# Allegro board SDHCalFEB.brd (continued)
## Routing (per net, layer and track width the routed paths; a pad name or vN(x,y) marks a point on that pad's centre or on a via; arc(x,y) is an arc through that point) (continued)
ANALOGIN47_ASIC_B5: length 50.9
  TOP w0.127: v2(252.2,207.21) 252.2,207.21 C482.2 ; v2(206.1,207.77) 206.08,207.76 U390.36
  GND1 w0.127: v2(252.2,207.21) v3(251.68,207.73) ; v3(206.83,207.77) v2(206.1,207.77)
  SIG3 w0.127: v3(251.68,207.73) 250.34,209.07 234.92,209.07 234.26,208.41 207.46,208.41 v3(206.83,207.77)
ANALOGIN47_ASIC_B6: length 52.5
  TOP w0.127: C569.2 v2(173.66,206.86) ; v2(125.76,207.76) U455.36
  GND1 w0.127: v2(173.66,206.86) v3(172.92,206.86) ; v3(126.49,207.76) v2(125.76,207.76)
  SIG3 w0.127: v3(172.92,206.86) 170.71,209.07 154.84,209.07 154.18,208.41 127.14,208.41 v3(126.49,207.76)
ANALOGIN47_ASIC_B7: length 53.6
  TOP w0.127: C656.2 v2(94.64,207.75) ; v2(46.13,207.76) U520.36
  GND1 w0.127: v3(46.86,207.76) v2(46.13,207.76) ; v2(94.64,207.75) v3(94.64,208.48)
  SIG3 w0.127: v3(94.64,208.48) 94.09,209.04 75.51,209.04 74.9,208.43 47.54,208.43 v3(46.86,207.76)
ANALOGIN47_ASIC_C1: length 46.7
  TOP w0.127: C743.2 v2(328.19,126.17) ; v2(286.38,127.75) U585.36
  GND1 w0.127: v3(287.12,127.75) v2(286.38,127.75) ; v2(328.19,126.17) v3(327.46,126.17)
  SIG3 w0.127: v3(327.46,126.17) 325.91,127.71 314.1,127.71 313.44,128.37 287.74,128.37 v3(287.12,127.75)
ANALOGIN47_ASIC_C2: length 50.9
  TOP w0.127: C830.2 v2(252.2,127.2) ; v2(206.43,127.75) U650.36
  GND1 w0.127: v2(252.2,127.2) v3(251.46,127.2) ; v3(207.16,127.75) v2(206.43,127.75)
  SIG3 w0.127: v3(251.46,127.2) 249.61,129.06 234.09,129.06 233.45,128.42 207.83,128.42 v3(207.16,127.75)
ANALOGIN47_ASIC_C3: length 53.1
  TOP w0.127: v2(124.75,127.75) U715.36 ; C917.2 v2(174.63,127.71)
  GND1 w0.127: v2(174.63,127.71) v3(173.89,127.71) ; v2(124.75,127.75) v3(125.49,127.75)
  SIG3 w0.127: v3(125.49,127.75) 126.19,128.45 153.75,128.45 154.36,129.06 172.55,129.06 v3(173.89,127.71)
ANALOGIN47_ASIC_C4: length 52
  TOP w0.127: v2(45.87,127.75) U780.36 ; C1004.2 v2(93.55,126.75)
  GND1 w0.127: v2(93.55,126.75) v3(92.74,126.75) ; v2(45.87,127.75) v3(46.61,127.75)
  SIG3 w0.127: v3(46.61,127.75) 47.26,128.4 75.26,128.4 75.83,127.83 91.65,127.83 v3(92.74,126.75)
ANALOGIN48_ASIC_A1: length 42.8
  TOP w0.127: C48.2 v2(322.28,285.21) ; v2(282.41,287.12) U65.37
  GND1 w0.127: v2(322.28,285.21) v3(321.54,285.21) ; v3(283.15,287.12) v2(282.41,287.12)
  SIG3 w0.127: v3(283.15,287.12) 289.92,287.12 291.82,285.21 v3(321.54,285.21)
ANALOGIN48_ASIC_A2: length 50.1
  TOP w0.127: v2(202.39,287.12) U130.37 ; C135.2 v2(245.49,282.56)
  GND1 w0.127: v2(202.39,287.12) v3(201.65,287.12) ; v2(245.49,282.56) v3(246.23,282.56)
  SIG3 w0.127: v3(246.23,282.56) 244.09,284.7 232.52,284.7 231.75,285.47 209.04,285.47 207.39,287.12 v3(201.65,287.12)
ANALOGIN48_ASIC_A3: length 45.2
  TOP w0.127: v2(122.39,287.12) U195.37 ; C222.2 v2(162.17,285.2)
  GND1 w0.127: v2(162.17,285.2) v3(162.17,284.47) ; v3(121.65,287.12) v2(122.39,287.12)
  SIG3 w0.127: v3(162.17,284.47) 152.06,284.47 149.4,287.12 v3(121.65,287.12)
ANALOGIN48_ASIC_A4: length 43.3
  TOP w0.127: v2(42.38,287.12) 43.56,287.12 U260.37 ; C309.2 v2(80.7,283.73)
  GND1 w0.127: v3(41.64,287.12) v2(42.38,287.12) ; v2(80.7,283.73) v3(79.96,283.73)
  SIG3 w0.127: v3(79.96,283.73) 79.18,284.51 72.05,284.51 69.44,287.12 v3(41.64,287.12)
ANALOGIN48_ASIC_B1: length 45.4
  TOP w0.127: v2(282.41,207.11) U325.37 ; C396.2 v2(323.7,206.76)
  GND1 w0.127: v3(281.68,207.11) v2(282.41,207.11) ; v2(323.7,206.76) v3(322.96,206.76)
  SIG3 w0.127: v3(281.68,207.11) 314.78,207.11 315.52,206.37 322.57,206.37 v3(322.96,206.76)
ANALOGIN48_ASIC_B5: length 44.8
  TOP w0.127: C483.2 v2(244.71,207.77) ; v2(202.4,207.11) U390.37
  GND1 w0.127: v3(203.14,207.11) v2(202.4,207.11) ; v2(244.71,207.77) v3(243.97,207.77)
  SIG3 w0.127: v3(203.14,207.11) 234.11,207.11 234.77,207.77 v3(243.97,207.77)
ANALOGIN48_ASIC_B6: length 44.1
  TOP w0.127: v2(122.39,207.11) U455.37 ; C570.2 v2(163.68,206.81)
  GND1 w0.127: v2(163.68,206.81) v3(162.94,206.81) ; v3(123.13,207.11) v2(122.39,207.11)
  SIG3 w0.127: v3(123.13,207.11) 154.51,207.11 155.14,207.75 162,207.75 v3(162.94,206.81)
ANALOGIN48_ASIC_B7: length 45.7
  TOP w0.127: C657.2 v2(84.64,207.72) ; v2(42.37,207.11) U520.37
  GND1 w0.127: v2(42.37,207.11) v3(43.1,207.11) ; v2(84.64,207.72) v3(84.64,208.46)
  SIG3 w0.127: v3(84.64,208.46) 83.95,207.77 75.36,207.77 74.7,207.11 v3(43.1,207.11)
ANALOGIN48_ASIC_C1: length 43.9
  TOP w0.127: v2(282.4,127.1) U585.37 ; C744.2 v2(323.67,126.77)
  GND1 w0.127: v2(323.67,126.77) v3(322.94,126.77) ; v2(282.4,127.1) v3(283.13,127.1)
  SIG3 w0.127: v3(283.13,127.1) 313.56,127.1 314.28,126.39 322.55,126.39 v3(322.94,126.77)
ANALOGIN48_ASIC_C2: length 44.1
  TOP w0.127: C831.2 v2(243.66,126.75) ; v2(202.39,127.1) U650.37
  GND1 w0.127: v2(202.39,127.1) v3(203.12,127.1) ; v2(243.66,126.75) v3(242.93,126.75)
  SIG3 w0.127: v3(242.93,126.75) 238.53,126.75 237.61,127.67 234.48,127.67 233.91,127.1 v3(203.12,127.1)
ANALOGIN48_ASIC_C3: length 44.6
  TOP w0.127: v2(122.39,127.1) U715.37 ; C918.2 v2(164.62,127.71)
  GND1 w0.127: v2(122.39,127.1) v3(123.13,127.1) ; v2(164.62,127.71) v3(163.88,127.71)
  SIG3 w0.127: v3(163.88,127.71) 155.75,127.71 155.14,127.1 v3(123.13,127.1)
ANALOGIN48_ASIC_C4: length 45.4
  TOP w0.127: C1005.2 v2(83.54,126.75) ; v2(42.38,127.1) U780.37
  GND1 w0.127: v3(41.65,127.1) v2(42.38,127.1) ; v2(83.54,126.75) v3(82.47,126.75)
  SIG3 w0.127: v3(41.65,127.1) 74.83,127.1 75.57,126.36 82.09,126.36 v3(82.47,126.75)
ANALOGIN49_ASIC_A1: length 39.6
  TOP w0.127: C49.2 319.41,283.7 v2(319.4,283.69) ; v2(284.77,286.47) U65.38
  GND1 w0.127: v3(284.04,286.47) v2(284.77,286.47) ; v2(319.4,283.69) v3(318.67,283.69)
  SIG3 w0.127: v3(284.04,286.47) 285.51,286.47 288.49,283.49 317.92,283.49 318.12,283.69 v3(318.67,283.69)
ANALOGIN49_ASIC_A2: length 40.2
  TOP w0.127: U130.38 v2(204.76,286.47) ; C136.2 v2(239.89,284.06)
  GND1 w0.127: v2(204.76,286.47) v3(204.03,286.47) ; v2(239.89,284.06) v3(239.15,284.06)
  SIG3 w0.127: v3(239.15,284.06) 238.61,283.51 208.45,283.51 205.5,286.47 v3(204.03,286.47)
ANALOGIN49_ASIC_A3: length 39.1
  TOP w0.127: v2(124.75,286.46) 123.58,286.46 U195.38 ; C223.2 v2(159.03,283.68)
  GND1 w0.127: v3(124.02,286.46) v2(124.75,286.46) ; v2(159.03,283.68) v3(158.29,283.68)
  SIG3 w0.127: v3(124.02,286.46) 148.77,286.46 151.46,283.77 158.2,283.77 v3(158.29,283.68)
ANALOGIN49_ASIC_A4: length 36.9
  TOP w0.127: C310.2 v2(76.86,283.65) ; v2(44.74,286.47) U260.38
  GND1 w0.127: v2(76.86,283.65) v3(76.12,283.65) ; v3(44.01,286.47) v2(44.74,286.47)
  SIG3 w0.127: v3(76.12,283.65) 71.69,283.65 68.88,286.47 v3(44.01,286.47)
ANALOGIN49_ASIC_B1: length 41.2
  TOP w0.127: C397.2 v2(321.19,206.2) ; v2(284.77,206.46) U325.38
  GND1 w0.127: v3(284.04,206.46) v2(284.77,206.46) ; v2(321.19,206.2) v3(321.19,205.46)
  SIG3 w0.127: v3(284.04,206.46) 285.51,206.46 286.14,205.83 317.39,205.83 317.75,205.46 v3(321.19,205.46)
ANALOGIN49_ASIC_B5: length 36.6
  TOP w0.127: C484.2 v2(238.02,203.69) ; v2(204.76,206.45) 203.59,206.45 U390.38
  GND1 w0.127: v3(205.5,206.45) v2(204.76,206.45) ; v2(238.02,203.69) v3(237.29,203.69)
  SIG3 w0.127: v3(205.5,206.45) 206.21,205.74 235.23,205.74 v3(237.29,203.69)
ANALOGIN49_ASIC_B6: length 36.1
  TOP w0.127: C571.2 v2(157.41,203.69) ; v2(124.75,206.46) U455.38
  GND1 w0.127: v2(124.75,206.46) v3(125.49,206.46) ; v2(157.41,203.69) v3(156.54,203.69)
  SIG3 w0.127: v3(125.49,206.46) 126.13,205.82 154.41,205.82 v3(156.54,203.69)
ANALOGIN49_ASIC_B7: length 36.4
  TOP w0.127: v2(44.74,206.46) U520.38 ; C658.2 v2(77.88,203.71)
  GND1 w0.127: v3(45.48,206.46) v2(44.74,206.46) ; v2(77.88,203.71) v3(77.14,203.71)
  SIG3 w0.127: v3(77.14,203.71) 75.77,205.08 46.86,205.08 v3(45.48,206.46)
ANALOGIN49_ASIC_C1: length 38
  TOP w0.127: v2(284.78,126.45) U585.38 ; C745.2 v2(320.14,125.22)
  GND1 w0.127: v3(285.51,126.45) v2(284.78,126.45) ; v2(320.14,125.22) v3(319.4,125.22)
  SIG3 w0.127: v3(319.4,125.22) 286.74,125.22 v3(285.51,126.45)
ANALOGIN49_ASIC_C2: length 36.2
  TOP w0.127: C832.2 v2(237.74,123.7) ; v2(204.76,126.45) U650.38
  GND1 w0.127: v2(237.74,123.7) v3(237.01,123.7) ; v3(205.5,126.45) v2(204.76,126.45)
  SIG3 w0.127: v3(237.01,123.7) 233.37,123.7 230.62,126.45 v3(205.5,126.45)
ANALOGIN49_ASIC_C3: length 36.9
  TOP w0.127: v2(126.72,126.45) U715.38 ; C919.2 v2(158.34,123.73)
  GND1 w0.127: v3(127.46,126.45) v2(126.72,126.45) ; v2(158.34,123.73) v3(157.61,123.73)
  SIG3 w0.127: v3(127.46,126.45) 150.94,126.45 153.67,123.73 v3(157.61,123.73)
ANALOGIN49_ASIC_C4: length 37
  TOP w0.127: C1006.2 v2(78.46,123.68) ; v2(44.74,126.45) U780.38
  GND1 w0.127: v3(45.48,126.45) v2(44.74,126.45) ; v2(78.46,123.68) v3(77.72,123.68)
  SIG3 w0.127: v3(45.48,126.45) 46.73,125.2 76.2,125.2 v3(77.72,123.68)
ANALOGIN50_ASIC_A1: length 4.6
  TOP w0.127: U65.39 282.96,285.82 280.68,283.54 C50.2
ANALOGIN50_ASIC_A2: length 5.2
  TOP w0.127: C137.2 200.46,284.53 201.75,285.82 U130.39
ANALOGIN50_ASIC_A3: length 4.9
  TOP w0.127: U195.39 122.62,285.82 120.69,283.88 C224.2
ANALOGIN50_ASIC_A4: length 5
  TOP w0.127: C311.2 40.65,284.16 42.31,285.82 U260.39
ANALOGIN50_ASIC_B1: length 5.1
  TOP w0.127: U325.39 282.19,205.81 280.67,204.3 C398.2
ANALOGIN50_ASIC_B5: length 4.8
  TOP w0.127: U390.39 202.63,205.81 200.64,203.81 C485.2
ANALOGIN50_ASIC_B6: length 4.9
  TOP w0.127: U455.39 122.45,205.81 120.68,204.04 C572.2
ANALOGIN50_ASIC_B7: length 4.8
  TOP w0.127: U520.39 42.54,205.81 40.67,203.94 C659.2
ANALOGIN50_ASIC_C1: length 4.9
  TOP w0.127: U585.39 282.39,125.8 280.7,124.11 C746.2
ANALOGIN50_ASIC_C2: length 4.8
  TOP w0.127: C833.2 200.69,123.91 202.58,125.8 U650.39
ANALOGIN50_ASIC_C3: length 4.8
  TOP w0.127: C920.2 120.68,123.85 122.62,125.8 U715.39
ANALOGIN50_ASIC_C4: length 4.8
  TOP w0.127: U780.39 42.51,125.8 40.64,123.93 C1007.2
ANALOGIN50_ASIC_D1: length 4.8
  TOP w0.127: C1094.2 280.67,43.95 282.52,45.79 U845.39
ANALOGIN50_ASIC_D2: length 4.7
  TOP w0.127: C1181.2 200.69,43.84 202.63,45.79 U910.39
ANALOGIN50_ASIC_D3: length 4.8
  TOP w0.127: U975.39 122.55,45.79 120.65,43.9 C1268.2
ANALOGIN50_ASIC_D4: length 4.9
  TOP w0.127: C1355.2 40.67,44.05 42.41,45.79 U1040.39
ANALOGIN51_ASIC_A1: length 31.1
  TOP w0.127: C51.2 274.91,266.22 277.85,269.16 277.85,271.42 287.72,281.29 U65.43
ANALOGIN51_ASIC_A2: length 30.8
  TOP w0.127: C138.2 194.37,266.2 207.71,279.54 U130.43
ANALOGIN51_ASIC_A3: length 32
  TOP w0.127: C225.2 116.34,266.15 117.07,266.88 117.07,269.39 127.7,280.02 U195.43
ANALOGIN51_ASIC_B1: length 30
  TOP w0.127: C399.2 265.25,186.24 268.29,189.28 276.1,189.28 287.72,200.9 U325.43
ANALOGIN51_ASIC_B5: length 30.7
  TOP w0.127: U390.43 207.71,199.68 194.26,186.23 C486.2
ANALOGIN51_ASIC_B6: length 30.7
  TOP w0.127: C573.2 114.27,186.18 127.7,199.6 U455.43
ANALOGIN51_ASIC_C1: length 30.7
  TOP w0.127: U585.43 287.72,119.75 274.14,106.17 C747.2
ANALOGIN51_ASIC_C2: length 30.7
  TOP w0.127: C834.2 194.18,106.12 207.71,119.65 U650.43
ANALOGIN51_ASIC_C3: length 30.6
  TOP w0.127: C921.2 113.97,106.12 127.7,119.85 U715.43
ANALOGIN51_ASIC_D1: length 12
  TOP w0.127: U845.43 287.72,39.02 C1095.2
ANALOGIN51_ASIC_D2: length 12.1
  TOP w0.127: U910.43 207.71,38.93 201.6,32.83 C1182.2
ANALOGIN51_ASIC_D3: length 12.3
  TOP w0.127: U975.43 127.7,38.08 C1269.2
ANALOGIN51_ASIC_D4: length 12.3
  TOP w0.127: U1040.43 47.69,38.54 C1356.2
ANALOGIN52_ASIC_A1: length 24.6
  TOP w0.127: U65.44 288.37,280.77 278.69,271.09 278.69,268.17 275.17,264.66 C52.2
ANALOGIN52_ASIC_A2: length 23.9
  TOP w0.127: C139.2 194.12,264.71 208.36,278.94 U130.44
ANALOGIN52_ASIC_A3: length 25.1
  TOP w0.127: C226.2 116.17,264.71 117.68,266.22 117.68,268.91 128.35,279.58 U195.44
ANALOGIN52_ASIC_B1: length 23.6
  TOP w0.127: U325.44 288.37,200.46 273.76,185.85 C400.2
ANALOGIN52_ASIC_B5: length 23.7
  TOP w0.127: U390.44 208.36,199.44 193.78,184.86 C487.2
ANALOGIN52_ASIC_B6: length 23.7
  TOP w0.127: C574.2 128.35,199.26 U455.44
ANALOGIN52_ASIC_C1: length 23.7
  TOP w0.127: C748.2 273.76,104.71 288.37,119.32 U585.44
ANALOGIN52_ASIC_C2: length 23.7
  TOP w0.127: C835.2 193.78,104.71 208.36,119.29 U650.44
ANALOGIN52_ASIC_C3: length 25
  TOP w0.127: U715.44 128.35,119.48 112.8,103.94 C922.2
ANALOGIN52_ASIC_D1: length 14.3
  TOP w0.127: C1096.2 288.37,35.66 U845.44
ANALOGIN52_ASIC_D2: length 16
  TOP w0.127: C1183.2 201.6,30.12 208.36,36.88 U910.44
ANALOGIN52_ASIC_D3: length 16.3
  TOP w0.127: U975.44 128.35,36.58 121.48,29.71 C1270.2
ANALOGIN52_ASIC_D4: length 16.2
  TOP w0.127: C1357.2 41.37,29.97 48.34,36.93 U1040.44
ANALOGIN53_ASIC_A1: length 10
  TOP w0.127: C53.2 284.01,274.46 289.02,279.47 U65.45
ANALOGIN53_ASIC_A2: length 9.4
  TOP w0.127: U130.45 209.01,276.82 C140.2
ANALOGIN53_ASIC_A3: length 10.4
  TOP w0.127: C227.2 124.75,274.82 129,279.06 U195.45
ANALOGIN53_ASIC_A4: length 11.8
  TOP w0.127: U260.45 48.99,279.03 43.7,273.75 C314.2
ANALOGIN53_ASIC_B1: length 11.8
  TOP w0.127: U325.45 289.02,200.12 283.72,194.82 C401.2
ANALOGIN53_ASIC_B5: length 11.8
  TOP w0.127: U390.45 209.01,199.08 203.74,193.81 C488.2
ANALOGIN53_ASIC_B6: length 11.8
  TOP w0.127: U455.45 129,198.82 123.7,193.53 C575.2
ANALOGIN53_ASIC_B7: length 11.7
  TOP w0.127: C662.2 43.74,194.8 48.99,200.04 U520.45
ANALOGIN53_ASIC_C1: length 11.7
  TOP w0.127: C749.2 283.72,113.52 289.02,118.81 U585.45
ANALOGIN53_ASIC_C2: length 11.7
  TOP w0.127: U650.45 209.01,118.76 203.71,113.47 C836.2
ANALOGIN53_ASIC_C3: length 11.7
  TOP w0.127: C923.2 123.73,113.77 129,119.04 U715.45
ANALOGIN53_ASIC_C4: length 11.7
  TOP w0.127: C1010.2 43.72,115.7 48.99,120.97 U780.45
ANALOGIN53_ASIC_D1: length 21.9
  TOP w0.127: U845.45 289.02,30.62 283,24.61 C1097.2
ANALOGIN53_ASIC_D2: length 20.7
  TOP w0.127: U910.45 209.01,31.37 202.13,24.49 C1184.2
ANALOGIN53_ASIC_D3: length 21.6
  TOP w0.127: U975.45 129,30.56 122.05,23.61 C1271.2
ANALOGIN53_ASIC_D4: length 21.2
  TOP w0.127: U1040.45 48.99,30.99 42.06,24.06 C1358.2
ANALOGIN54_ASIC_A1: length 25
  TOP w0.127: U65.46 289.67,278.87 285.57,274.78 285.57,267.28 283.5,265.21 C54.2
ANALOGIN54_ASIC_A2: length 20.8
  TOP w0.127: U130.46 209.66,275.44 207.24,273.02 207.24,266.9 205.07,264.73 C141.2
ANALOGIN54_ASIC_A3: length 22.9
  TOP w0.127: U195.46 129.65,278.46 126.49,275.31 126.49,266.65 125.06,265.21 C228.2
ANALOGIN54_ASIC_A4: length 22.2
  TOP w0.127: U260.46 49.64,278.39 46.84,275.59 46.84,266.65 43.93,263.74 C315.2
ANALOGIN54_ASIC_B1: length 22.2
  TOP w0.127: C402.2 283.92,183.71 286,185.8 286,196.19 289.67,199.85 U325.46
ANALOGIN54_ASIC_B5: length 22.2
  TOP w0.127: C489.2 203.98,183.71 205.84,185.57 205.84,194.77 209.66,198.58 U390.46
ANALOGIN54_ASIC_B6: length 22.2
  TOP w0.127: U455.46 129.65,198.46 125.37,194.18 125.37,184.99 124.1,183.71 C576.2
ANALOGIN54_ASIC_B7: length 22.4
  TOP w0.127: C663.2 44.4,183.71 45.44,184.76 45.44,195.38 49.64,199.57 U520.46
ANALOGIN54_ASIC_C1: length 22.2
  TOP w0.127: C750.2 284.15,103.73 285.52,105.11 285.52,114.15 289.67,118.3 U585.46
ANALOGIN54_ASIC_C2: length 22
  TOP w0.127: U650.46 209.66,118.29 205.31,113.94 205.31,105.31 203.73,103.73 C837.2
ANALOGIN54_ASIC_C3: length 22
  TOP w0.127: C924.2 123.82,103.73 125.86,105.77 125.86,114.99 129.65,118.78 U715.46
ANALOGIN54_ASIC_C4: length 21.8
  TOP w0.127: C1011.2 43.4,103.73 45.72,106.05 45.72,116.43 49.64,120.35 U780.46
ANALOGIN54_ASIC_D1: length 22.9
  TOP w0.127: C1098.2 289.67,29.14 U845.46
ANALOGIN54_ASIC_D2: length 23.8
  TOP w0.127: U910.46 209.66,29.3 202.08,21.73 C1185.2
ANALOGIN54_ASIC_D3: length 24.5
  TOP w0.127: C1272.2 122.07,20.99 129.65,28.57 U975.46
ANALOGIN54_ASIC_D4: length 24.1
  TOP w0.127: U1040.46 49.64,29.02 42.01,21.4 C1359.2
ANALOGIN55_ASIC_A1: length 19.4
  TOP w0.127: U65.47 290.32,278.4 286.54,274.62 286.54,266.85 288.17,265.21 C55.2
ANALOGIN55_ASIC_A2: length 18
  TOP w0.127: C142.2 208.14,272.86 210.31,275.03 U130.47
ANALOGIN55_ASIC_A3: length 18.9
  TOP w0.127: U195.47 130.3,278.02 127.15,274.88 127.15,268.33 128.19,267.28 C229.2
ANALOGIN55_ASIC_A4: length 18
  TOP w0.127: U260.47 50.29,277.74 48.17,275.63 C316.2
ANALOGIN55_ASIC_B1: length 18.8
  TOP w0.127: C403.2 288.13,185.24 287.25,186.12 287.25,196.47 290.32,199.54 U325.47
ANALOGIN55_ASIC_B5: length 19.4
  TOP w0.127: U390.47 210.31,198.04 206.55,194.28 206.55,186.86 208.17,185.24 C490.2
ANALOGIN55_ASIC_B6: length 19.6
  TOP w0.127: U455.47 130.3,198.09 126.29,194.08 126.29,187.09 128.13,185.24 C577.2
ANALOGIN55_ASIC_B7: length 19.6
  TOP w0.127: C664.2 48.18,185.22 46.25,187.14 46.25,194.77 50.29,198.8 U520.47
ANALOGIN55_ASIC_C1: length 19.6
  TOP w0.127: U585.47 290.32,117.7 286.18,113.56 286.18,107.24 C751.2
ANALOGIN55_ASIC_C2: length 19.4
  TOP w0.127: C838.2 208.19,105.23 206.5,106.93 206.5,114.15 210.31,117.95 U650.47
ANALOGIN55_ASIC_C3: length 19.3
  TOP w0.127: U715.47 130.3,118.31 126.7,114.71 126.7,106.75 128.21,105.23 C925.2
ANALOGIN55_ASIC_C4: length 19.3
  TOP w0.127: C1012.2 46.61,106.86 46.61,116.05 50.29,119.73 U780.47
ANALOGIN55_ASIC_D1: length 18.9
  TOP w0.127: U845.47 290.32,27.2 289.46,26.34 C1099.2
ANALOGIN55_ASIC_D2: length 18.4
  TOP w0.127: C1186.2 209.27,25.73 210.31,26.77 U910.47
ANALOGIN55_ASIC_D3: length 20
  TOP w0.127: C1273.2 129.21,25.18 130.3,26.26 U975.47
ANALOGIN55_ASIC_D4: length 19.2
  TOP w0.127: U1040.47 50.29,26.41 49.38,25.51 C1360.2
ANALOGIN56_ASIC_A1: length 8
  TOP w0.127: U65.48 290.97,276.71 C56.2
ANALOGIN56_ASIC_A2: length 11.9
  TOP w0.127: U130.48 210.96,274.46 209.26,272.76 C143.2
ANALOGIN56_ASIC_A3: length 11.8
  TOP w0.127: U195.48 130.95,277.59 129.21,275.86 C230.2
ANALOGIN56_ASIC_A4: length 11.9
  TOP w0.127: C317.2 49.24,275.48 50.94,277.17 U260.48
ANALOGIN56_ASIC_B1: length 6.8
  TOP w0.127: U325.48 290.97,199.02 289.21,197.26 C404.2
ANALOGIN56_ASIC_B5: length 8
  TOP w0.127: C491.2 210.96,196.74 U390.48
ANALOGIN56_ASIC_B6: length 8
  TOP w0.127: U455.48 130.95,196.69 129.31,195.06
ANALOGIN56_ASIC_B7: length 8
  TOP w0.127: C665.2 50.94,196.7 U520.48
ANALOGIN56_ASIC_C1: length 8.1
  TOP w0.127: C752.2 290.97,116.59 U585.48
ANALOGIN56_ASIC_C2: length 8
  TOP w0.127: U650.48 210.96,116.65 C839.2
ANALOGIN56_ASIC_C3: length 8
  TOP w0.127: U715.48 130.95,116.65 C926.2
ANALOGIN56_ASIC_C4: length 7.9
  TOP w0.127: C1013.2 50.94,116.69 U780.48
ANALOGIN56_ASIC_D1: length 18.9
  TOP w0.127: U845.48 290.97,27.12 291.88,26.21 C1100.2
ANALOGIN56_ASIC_D2: length 18.4
  TOP w0.127: C1187.2 212.04,25.6 210.96,26.68 U910.48
ANALOGIN56_ASIC_D3: length 19.9
  TOP w0.127: U975.48 130.95,26.1 131.83,25.22 C1274.2
ANALOGIN56_ASIC_D4: length 19.2
  TOP w0.127: U1040.48 50.94,26.45 51.74,25.65 C1361.2
ANALOGIN57_ASIC_A1: length 21.7
  TOP w0.127: U65.49 291.62,272.11 295.26,268.47 C57.2
ANALOGIN57_ASIC_A2: length 21.6
  TOP w0.127: U130.49 211.61,273.46 215.14,269.93 C144.2
ANALOGIN57_ASIC_A3: length 21.6
  TOP w0.127: U195.49 131.6,273.23 135.23,269.6 C231.2
ANALOGIN57_ASIC_A4: length 21.6
  TOP w0.127: U260.49 51.59,273.96 55.19,270.36 C318.2
ANALOGIN57_ASIC_B1: length 21.6
  TOP w0.127: U325.49 291.62,192.71 295.2,189.13 C405.2
ANALOGIN57_ASIC_B5: length 21.6
  TOP w0.127: U390.49 211.61,192.89 215.21,189.28 C492.2
ANALOGIN57_ASIC_B6: length 21.6
  TOP w0.127: U455.49 131.6,192.96 135.2,189.36 C579.2
ANALOGIN57_ASIC_B7: length 21.6
  TOP w0.127: U520.49 51.59,192.79 55.22,189.15 C666.2
ANALOGIN57_ASIC_C1: length 21.6
  TOP w0.127: U585.49 291.62,112.8 295.22,109.19 C753.2
ANALOGIN57_ASIC_C2: length 21.6
  TOP w0.127: U650.49 211.61,112.7 215.19,109.12 C840.2
ANALOGIN57_ASIC_C3: length 21.6
  TOP w0.127: U715.49 131.6,113.26 135.23,109.63 C927.2
ANALOGIN57_ASIC_C4: length 21.6
  TOP w0.127: C1014.2 55.22,109.4 51.59,113.03 U780.49
ANALOGIN57_ASIC_D1: length 28.1
  TOP w0.127: C1101.2 301.47,18.36 291.62,28.21 U845.49
ANALOGIN57_ASIC_D2: length 27.4
  TOP w0.127: C1188.2 221.28,18.96 211.61,28.64 U910.49
ANALOGIN57_ASIC_D3: length 27.4
  TOP w0.127: C1275.2 140.39,18.61 131.6,27.4 U975.49
ANALOGIN57_ASIC_D4: length 27.1
  TOP w0.127: U1040.49 51.59,26.97 59.89,18.66 C1362.2
ANALOGIN58_ASIC_A1: length 27
  TOP w0.127: C58.2 302.58,262.19 292.27,272.5 292.27,282.34 292.27,282.34 U65.50
ANALOGIN58_ASIC_A2: length 26.3
  TOP w0.127: U130.50 212.26,273.72 223.76,262.22 C145.2
ANALOGIN58_ASIC_A3: length 26.5
  TOP w0.127: C232.2 143.52,262.22 132.25,273.49 U195.50
ANALOGIN58_ASIC_A4: length 26
  TOP w0.127: U260.50 52.24,274.25 64.27,262.22 C319.2
ANALOGIN58_ASIC_B1: length 26.8
  TOP w0.127: C406.2 302.94,182.22 292.27,192.9 U325.50
ANALOGIN58_ASIC_B5: length 26.7
  TOP w0.127: C493.2 223.11,182.22 212.26,193.08 U390.50
ANALOGIN58_ASIC_B6: length 26.6
  TOP w0.127: U455.50 132.25,193.2 143.23,182.22 C580.2
ANALOGIN58_ASIC_B7: length 26.8
  TOP w0.127: C667.2 63.01,182.22 52.24,193 U520.50
ANALOGIN58_ASIC_C1: length 26.7
  TOP w0.127: U585.50 292.27,113.04 303.09,102.21 C754.2
ANALOGIN58_ASIC_C2: length 26.7
  TOP w0.127: U650.50 212.26,113.01 223.06,102.21 C841.2
ANALOGIN58_ASIC_C3: length 26.5
  TOP w0.127: C928.2 143.56,102.21 132.25,113.52 U715.50
ANALOGIN58_ASIC_C4: length 26.6
  TOP w0.127: C1015.2 63.37,102.21 52.24,113.34 U780.50
ANALOGIN58_ASIC_D1: length 24.8
  TOP w0.127: C1102.2 301.14,21.2 292.27,30.07 U845.50
ANALOGIN58_ASIC_D2: length 24.1
  TOP w0.127: C1189.2 220.8,21.76 212.26,30.3 U910.50
ANALOGIN58_ASIC_D3: length 24.5
  TOP w0.127: U975.50 132.25,29.24 140.28,21.2 C1276.2
ANALOGIN58_ASIC_D4: length 24.1
  TOP w0.127: U1040.50 52.24,28.83 59.74,21.33 C1363.2
ANALOGIN59_ASIC_A1: length 37
  TOP w0.127: U65.51 292.92,282.34 292.92,272.92 302.14,263.7 C59.2
ANALOGIN59_ASIC_A2: length 36.4
  TOP w0.127: C146.2 223.2,263.66 212.91,273.96 U130.51
ANALOGIN59_ASIC_A3: length 36.5
  TOP w0.127: C233.2 143,263.68 132.9,273.78 U195.51
ANALOGIN59_ASIC_A4: length 36.1
  TOP w0.127: U260.51 52.89,274.42 63.61,263.69 C320.2
ANALOGIN59_ASIC_B1: length 36.9
  TOP w0.127: C407.2 302.23,183.72 292.92,193.03 U325.51
ANALOGIN59_ASIC_B5: length 36.8
  TOP w0.127: U390.51 212.91,193.26 222.45,183.72 C494.2
ANALOGIN59_ASIC_B6: length 36.7
  TOP w0.127: U455.51 132.9,202.33 132.9,193.42 142.62,183.7 C581.2
ANALOGIN59_ASIC_B7: length 36.8
  TOP w0.127: U520.51 52.89,193.26 62.43,183.72 C668.2
ANALOGIN59_ASIC_C1: length 36.8
  TOP w0.127: C755.2 302.48,103.69 292.92,113.25 U585.51
ANALOGIN59_ASIC_C2: length 36.8
  TOP w0.127: U650.51 212.91,113.25 222.45,103.71 C842.2
ANALOGIN59_ASIC_C3: length 36.5
  TOP w0.127: C929.2 142.95,103.71 132.9,113.76 U715.51
ANALOGIN59_ASIC_C4: length 36.7
  TOP w0.127: C1016.2 62.73,103.71 52.89,113.56 U780.51
ANALOGIN59_ASIC_D1: length 20.5
  TOP w0.127: C1103.2 301.21,26.83 292.92,35.12 U845.51
ANALOGIN59_ASIC_D2: length 21
  TOP w0.127: C1190.2 219.1,27.03 212.91,33.22 U910.51
ANALOGIN59_ASIC_D3: length 21
  TOP w0.127: U975.51 132.9,32.05 137.71,27.23 C1277.2
ANALOGIN59_ASIC_D4: length 19.2
  TOP w0.127: C1364.2 59.97,27.23 52.89,34.31 U1040.51
ANALOGIN60_ASIC_A1: length 47
  TOP w0.127: U65.52 293.57,273.34 301.69,265.21 C60.2
ANALOGIN60_ASIC_A2: length 46.5
  TOP w0.127: C147.2 222.53,265.23 213.56,274.2 U130.52
ANALOGIN60_ASIC_A3: length 46.6
  TOP w0.127: C234.2 142.44,265.21 133.55,274.1 U195.52
ANALOGIN60_ASIC_A4: length 46.3
  TOP w0.127: U260.52 53.54,274.55 62.89,265.2 C321.2
ANALOGIN60_ASIC_B1: length 47
  TOP w0.127: U325.52 293.57,193.27 301.6,185.24 C408.2
ANALOGIN60_ASIC_B5: length 46.9
  TOP w0.127: U390.52 213.56,193.53 221.84,185.24 C495.2
ANALOGIN60_ASIC_B6: length 46.9
  TOP w0.127: U455.52 133.55,193.63 141.94,185.24 C582.2
ANALOGIN60_ASIC_B7: length 46.9
  TOP w0.127: U520.52 53.54,193.55 61.85,185.24 C669.2
ANALOGIN60_ASIC_C1: length 46.9
  TOP w0.127: U585.52 293.57,113.49 301.83,105.23 C756.2
ANALOGIN60_ASIC_C2: length 46.9
  TOP w0.127: U650.52 213.56,113.44 221.77,105.23 C843.2
ANALOGIN60_ASIC_C3: length 46.8
  TOP w0.127: U715.52 133.55,113.85 142.16,105.23 C930.2
ANALOGIN60_ASIC_C4: length 46.8
  TOP w0.127: U780.52 53.54,113.75 62.05,105.23 C1017.2
ANALOGIN60_ASIC_D1: length 15.7
  TOP w0.127: C1104.2 293.57,36.74 U845.52
ANALOGIN60_ASIC_D2: length 15.4
  TOP w0.127: U910.52 213.56,36.27 220.12,29.71 C1191.2
ANALOGIN60_ASIC_D3: length 15.3
  TOP w0.127: C1278.2 133.55,36.74 U975.52
ANALOGIN60_ASIC_D4: length 15.1
  TOP w0.127: U1040.52 53.54,36.24 59.89,29.89 C1365.2
ANALOGIN61_ASIC_A1: length 48
  TOP w0.127: U65.53 294.22,273.78 301.28,266.71 C61.2
ANALOGIN61_ASIC_A2: length 47.6
  TOP w0.127: C148.2 221.89,266.73 214.21,274.41 U130.53
ANALOGIN61_ASIC_A3: length 47.7
  TOP w0.127: C235.2 141.84,266.7 134.2,274.34 U195.53
ANALOGIN61_ASIC_A4: length 47.5
  TOP w0.127: C322.2 62.2,266.7 54.19,274.72 U260.53
ANALOGIN61_ASIC_B1: length 48.1
  TOP w0.127: C409.2 301.04,186.72 294.22,193.54 U325.53
ANALOGIN61_ASIC_B5: length 47.9
  TOP w0.127: C496.2 221.28,186.72 214.21,193.79 U390.53
ANALOGIN61_ASIC_B6: length 47.9
  TOP w0.127: U455.53 134.2,193.79 141.25,186.74 C583.2
ANALOGIN61_ASIC_B7: length 47.9
  TOP w0.127: C670.2 61.32,186.74 54.19,193.87 U520.53
ANALOGIN61_ASIC_C1: length 48
  TOP w0.127: U585.53 294.22,113.65 301.17,106.71 C757.2
ANALOGIN61_ASIC_C2: length 48
  TOP w0.127: C844.2 221.16,106.73 214.21,113.68 U650.53
ANALOGIN61_ASIC_C3: length 47.7
  TOP w0.127: U715.53 134.2,114.06 141.5,106.76 C931.2